# Altium PCB RMP_MAIN_PCB.PcbDoc (part 1 of 2)
Units mil, origin at the board's own origin, x right, y up, seen from the top; angles counter-clockwise.
Board outline 8260 x 4600 mil, 2 copper layers (Top Layer, Bottom Layer), stack 38.977 mil thick; 217 components, 130 nets, 944 pads, 269 vias.
Unrouted connection lines stored in the file: 5.
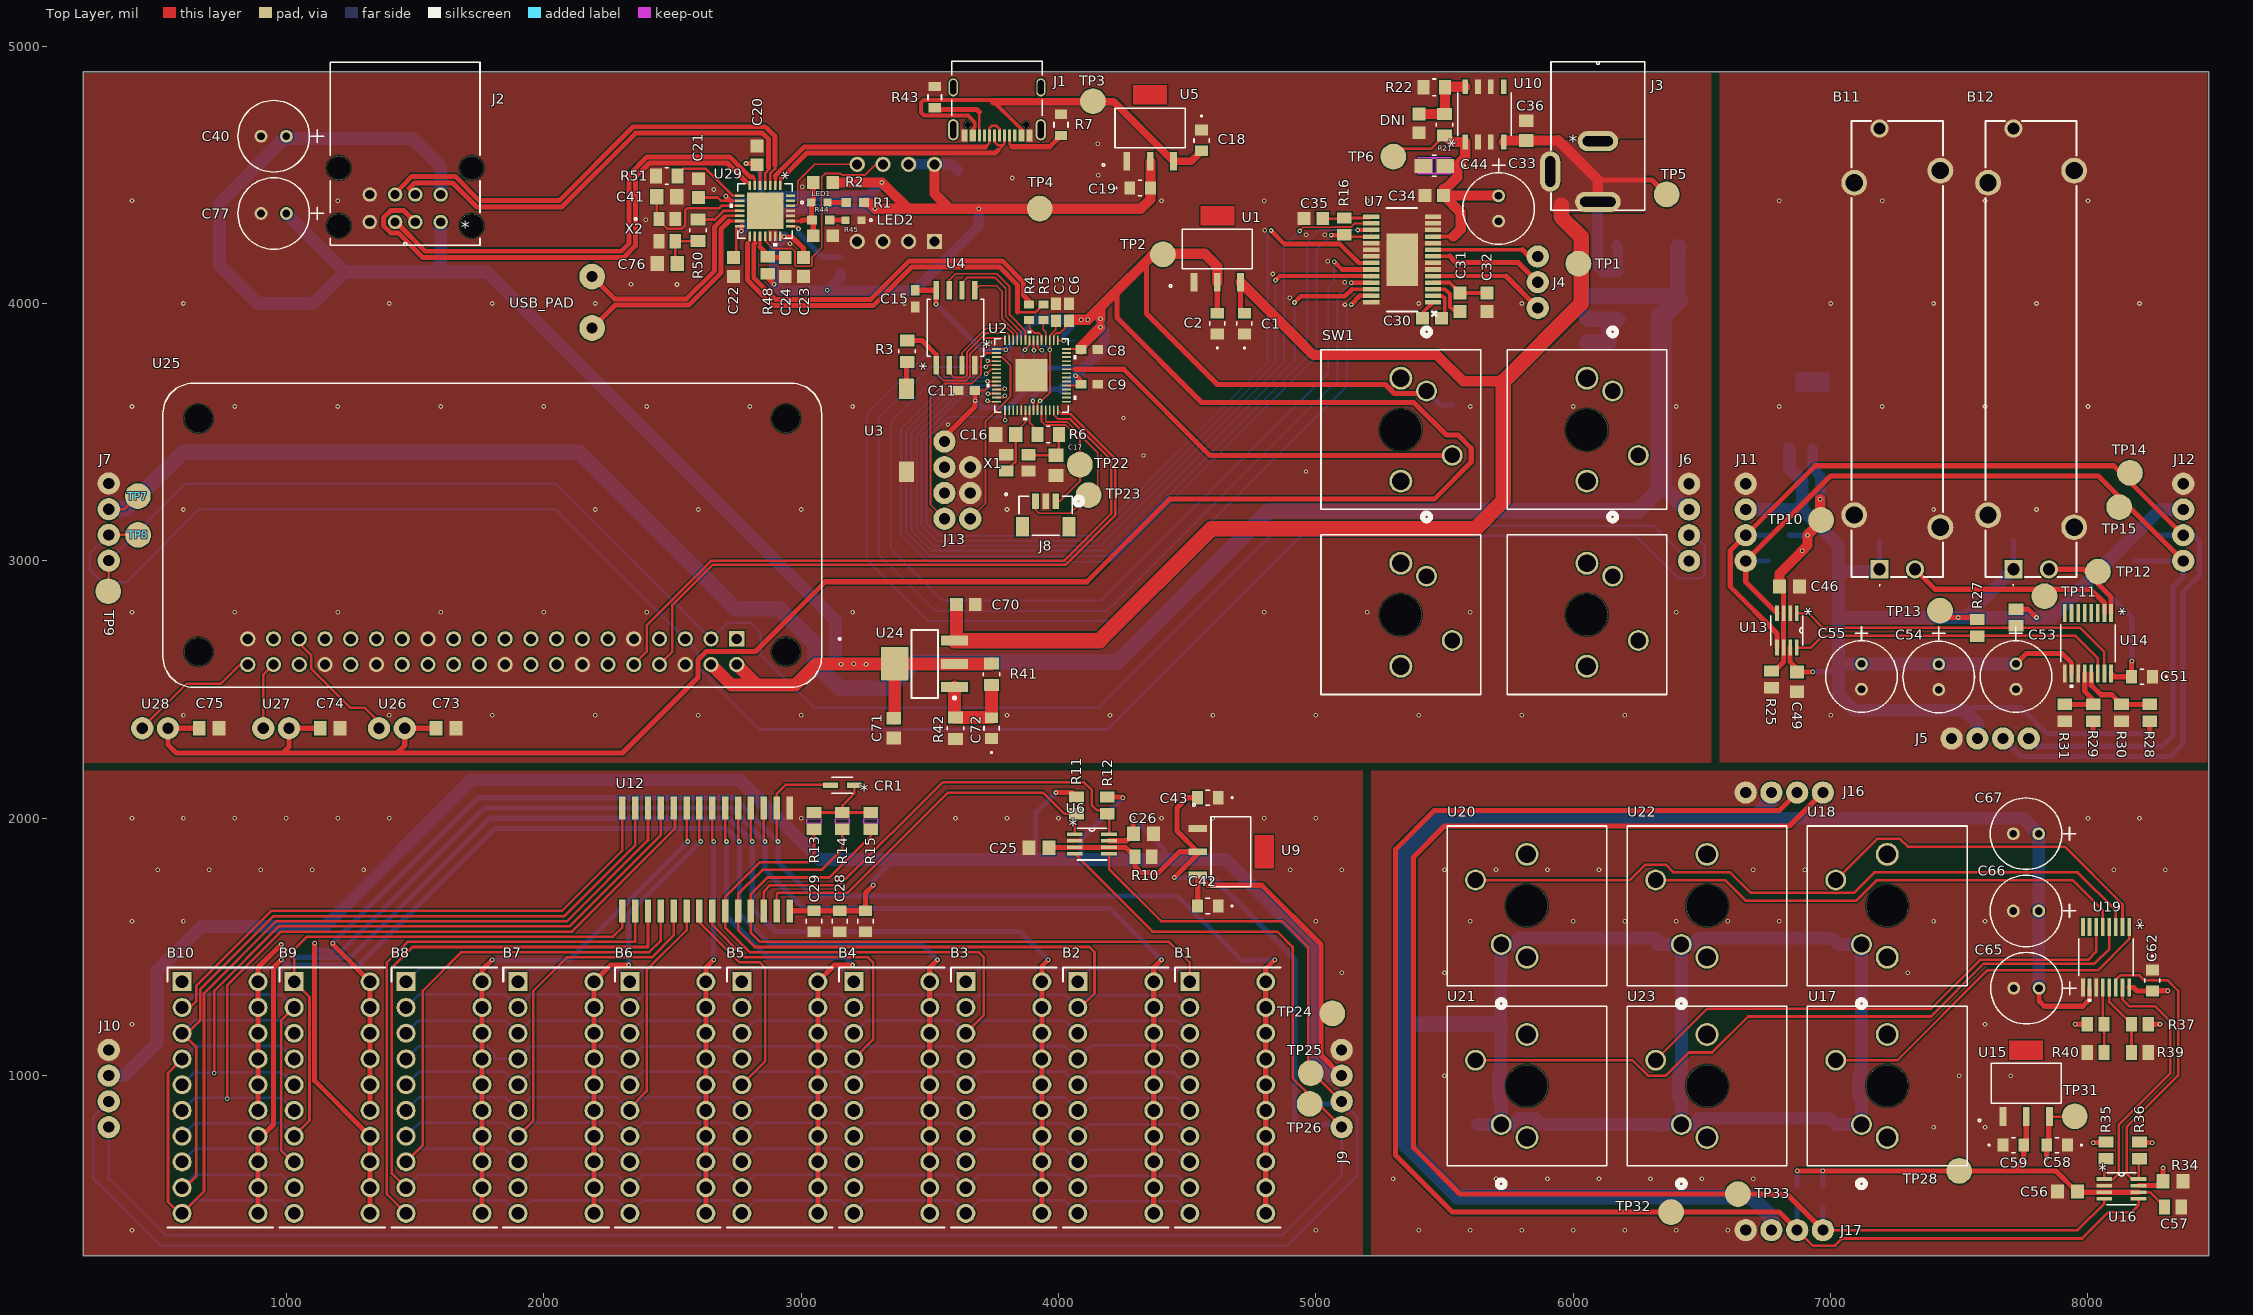
[diagram p0: Top Layer view]
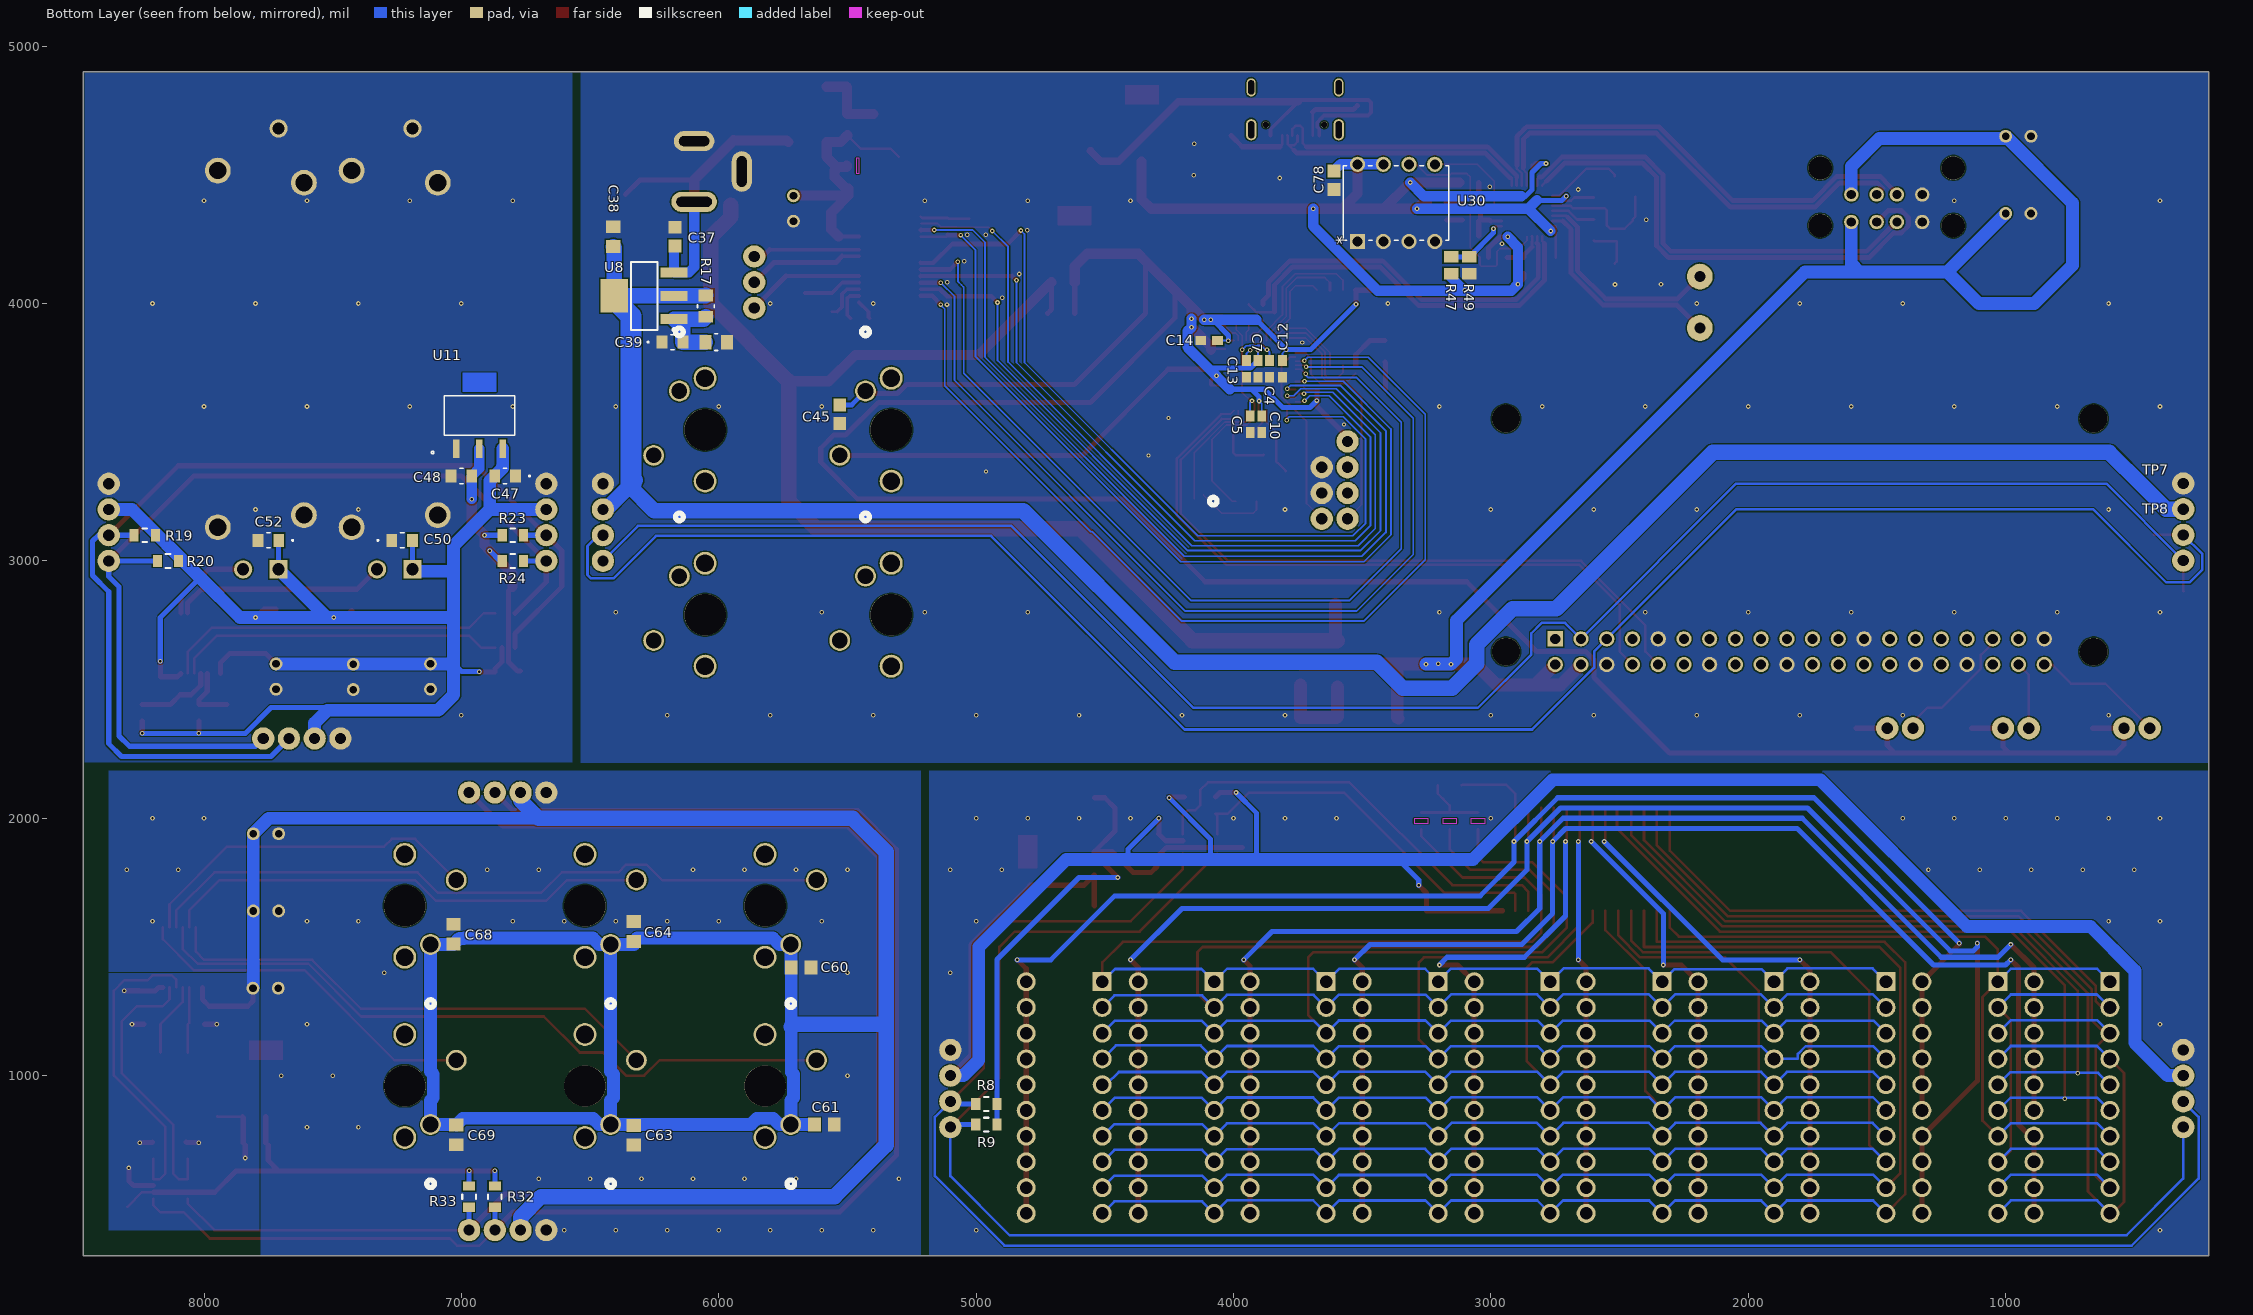
[diagram p1: Bottom Layer view, seen from below]

## Layer stack, top to bottom
Top Solder: solder mask 0.4, Solder Resist, Dk 3.5
Top Layer: signal copper 1.378
Dielectric 1: dielectric 36.2205, FR-4, Dk 4.8
Bottom Layer: signal copper 1.378
Bottom Solder: solder mask 0.4, Solder Resist, Dk 3.5

## Board outline
210,300 210,4900 8470,4900 8470,300

## Design rules (kind name [scope] priority, off if disabled: settings)
Clearance [All] p1: gap=5 ignorepadtopadclearanceinfootprint=FALSE
PlaneConnect [All] p1: planeconnectstyle=Direct reliefexpansion=20 reliefentries=4 reliefconductorwidth=10 reliefairgap=10
PolygonConnect [All] p1: connectstyle=Direct reliefconductorwidth=10 reliefentries=4 polygonreliefangle="90 Angle" airgapwidth=10
RoutingVias [All] p1: holewidth=28 width=50 viastyle="Through Hole" minholewidth=28 minwidth=50 maxholewidth=28 maxwidth=50
SolderMaskExpansion [All] p1: expansion=4 istentingtop=FALSE
SupplyNets "Schematic Supply Nets" [InNet('3.3V_HUB')] p1: voltage=0.000
SupplyNets "Schematic Supply Nets_4" [InNet('3.3V_LM')] p2: voltage=0.000
SupplyNets "Schematic Supply Nets_3" [InNet('1.1V')] p3: voltage=0.000
SupplyNets "Schematic Supply Nets_2" [InNet('3.3V')] p4: voltage=0.000
SupplyNets "Schematic Supply Nets_1" [InNet('GND')] p5: voltage=0.000
Width [All] p1: maxlimit=100 minlimit=5 preferedwidth=10
29 further rules are at their usual default settings.

## Classes and differential pairs
component class USB_HUB: C18 C19 C20 C21 C22 C23 C24 C40 C41 C76 C77 C78 J1 J2 LED1 LED2 R1 R2 R7 R43 R44 R45 R47 R48 R49 R50 R51 TP3 TP4 U5 U29 U30 USB_PAD X2
component class RMP_MAIN_ZERO: C70 C71 C72 C73 C74 C75 J6 J7 R41 R42 TP7 TP8 TP9 U24 U25 U26 U27 U28
component class RMP_MACRO_MODULE: C56 C57 C58 C59 C60 C61 C62 C63 C64 C65 C66 C67 C68 C69 J16 J17 R32 R33 R34 R35 R36 R37 R39 R40 TP28 TP31 TP32 TP33 U15 U16 U17 U18 U19 U20 U21 U22 U23
component class RMP_SLIDER_MODULE: B11 B12 C46 C47 C48 C49 C50 C51 C52 C53 C54 C55 J5 J11 J12 R19 R20 R23 R24 R25 R27 R28 R29 R30 R31 TP10 TP11 TP12 TP13 TP14 TP15 U11 U13 U14
component class RMP_LED_MODULE: B1 B2 B3 B4 B5 B6 B7 B8 B9 B10 C25 C26 C28 C29 C42 C43 CR1 J10 R8 R9 R10 R11 R12 R13 R14 R15 TP24 TP25 TP26 U6 U9 U12
component class RMP_MAIN: C1 C2 C3 C4 C5 C6 C7 C8 C9 C10 C11 C12 C14 C15 C16 C17 C78 J8 R3 R4 R5 R6 TP1 TP2 TP22 TP23 U1 U2 U3 U4 X1
component class RMP_MAIN_HFB: C30 C31 C32 C33 C34 C35 C36 C37 C38 C39 C44 C45 DNI J3 J4 J13 R16 R17 R21 R22 SW1 TP5 TP6 U7 U8 U10

## Components (designator, comment, footprint, x,y, rotation, side; value= is the part's Value field where it differs from the comment)
B1 "XGCBDX10D" DIPS750W75P254L2540H825Q20N 4510,1365 r0 top
B2 "XGCBDX10D" DIPS750W75P254L2540H825Q20N 4075,1365 r0 top
B3 "XGCBDX10D" DIPS750W75P254L2540H825Q20N 3640,1365 r0 top
B4 "XGCBDX10D" DIPS750W75P254L2540H825Q20N 3204.72,1365 r0 top
B5 "XGCBDX10D" DIPS750W75P254L2540H825Q20N 2769.72,1365 r0 top
B6 "XGCBDX10D" DIPS750W75P254L2540H825Q20N 2334.72,1365 r0 top
B7 "XGCBDX10D" DIPS750W75P254L2540H825Q20N 1900,1365 r0 top
B8 "XGCBDX10D" DIPS750W75P254L2540H825Q20N 1465,1365 r0 top
B9 "XGCBDX10D" DIPS750W75P254L2540H825Q20N 1030,1365 r0 top
B10 "XGCBDX10D" DIPS750W75P254L2540H825Q20N 594.72,1365 r0 top
B11 "PTA3043-2010CIB103" PTA30432010CIB103 7190.14,2967.43 r90 top
B12 "PTA3043-2010CIB103" PTA30432010CIB103 7710.14,2967.43 r90 top
C1 "GRM21BR61C106KE15K" G-21_MUR-M 4722,3922 r90 top value="10u F"
C2 "GRM21BR61C106KE15K" G-21_MUR-M 4617,3922 r90 top value="10u F"
C3 "C0603C105K4RACTU" CAPC17595_90N_KEM-M 3991,3966.12 r270 top value=1uF
C4 "CC0603KRX7R7BB104" CC0603N_YAG-M 3860,3746 r90 bottom value=100nF
C5 "CC0603KRX7R7BB104" CC0603N_YAG-M 3935,3531 r90 bottom value=100nF
C6 "C0603C105K4RACTU" CAPC17595_90N_KEM-M 4041,3966.12 r90 top value=1uF
C7 "CC0603KRX7R7BB104" CC0603N_YAG-M 3905,3746 r90 bottom value=100nF
C8 "CC0603KRX7R7BB104" CC0603N_YAG-M 4120,3821 r180 top value=100nF
C9 "CC0603KRX7R7BB104" CC0603N_YAG-M 4120,3686 r180 top value=100nF
C10 "CC0603KRX7R7BB104" CC0603N_YAG-M 3890,3531 r90 bottom value=100nF
C11 "CC0603KRX7R7BB104" CC0603N_YAG-M 3642,3662 r0 top value=100nF
C12 "CC0603KRX7R7BB104" CC0603N_YAG-M 3810,3746 r90 bottom value=100nF
C13 "CC0603KRX7R7BB104" CC0603N_YAG-M 3950,3746 r90 bottom value=100nF
C14 "CC0603KRX7R7BB104" CC0603N_YAG-M 4095,3856 r180 bottom value=100nF
C15 "CC0603KRX7R7BB104" CC0603N_YAG-M 3443,4019 r90 top value=100nF
C16 "CC0805FRNPO9BN150" CAP_CC0805_YAG-M 3795,3491 r0 top value=15pF
C17 "CC0805FRNPO9BN150" CAP_CC0805_YAG-M 3990,3371 r270 top value=15pF
C18 "GRM21BR61C106KE15K" G-21_MUR-M 4556,4634 r270 top value="10u F"
C19 "GRM21BR61C106KE15K" G-21_MUR-M 4317,4449 r0 top value="10u F"
C20 "CC0805KRX7R9BB104" CC0805N_YAG-M 2829,4576 r90 top value="0.1u F"
C21 "CC0805KRX7R9BB104" CC0805N_YAG-M 2601.06,4448.43 r90 top value="0.1u F"
C22 "CC0805KRX7R9BB104" CC0805N_YAG-M 2737,4142 r270 top value="0.1u F"
C23 "CC0805KRX7R9BB104" CC0805N_YAG-M 3009.2,4141.73 r270 top value="0.1u F"
C24 "CC0805KRX7R9BB104" CC0805N_YAG-M 2938.3,4141.73 r90 top value=0.1uF
C25 "CL21B105KAFNNNE" CAP_CL21B105KAFNNNE_SAM-M 3924.48,1885.72 r180 top value="1u F"
C26 "CL21B105KAFNNNE" CAP_CL21B105KAFNNNE_SAM-M 4330,1940 r180 top value="1u F"
C27 "CL21A106KOQNNNE" CAP_CL21_SAM-M 3250,1600 r90 top value="10 uF"
C28 "CL21A106KOQNNNE" CAP_CL21_SAM-M 3150,1600 r90 top value="10 uF"
C29 "CL21A106KOQNNNE" CAP_CL21_SAM-M 3050,1600 r90 top value="10 uF"
C30 "CC0805KRX7R9BB153" CC0805N_YAG-M 5451,3943 r180 top value="0.015u F"
C31 "CC0805KRX7R9BB104" CC0805N_YAG-M 5560,4005 r270 top value="0.1u F"
C32 "CC0805KRX7R9BB104" CC0805N_YAG-M 5665,4005 r90 top value="0.1u F"
C33 "35YXJ100M6.3X11" CAP_YX_6P3X11_RUB 5710,4418.43 r270 top value="100u F"
C34 "CC0805KRX7R9BB104" CC0805N_YAG-M 5460,4420 r0 top value="0.1u F"
C35 "CC0805KKX7R8BB474" CC0805N_YAG-M 4990,4330 r0 top value="0.47u F"
C36 "CL21B105KAFNNNE" CAP_CL21B105KAFNNNE_SAM-M 5817.25,4671.71 r270 top value="1u F"
C37 "CC0805KRX7R9BB104" CC0805N_YAG-M 6170,4260 r270 bottom value=0.1uF
C38 "CL21B105KAFNNNE" CAP_CL21B105KAFNNNE_SAM-M 6410,4260 r270 bottom value="1u F"
C39 "GRM21BR61C106KE15K" G-21_MUR-M 6180,3850 r180 bottom value="10u F"
C40 "35YXJ100M6.3X11" CAP_YX_6P3X11_RUB 1000,4650 r180 top value=100uF
C41 "CC0805FRNPO9BN150" CAP_CC0805_YAG-M 2477.94,4414.76 r180 top value=15pF
C42 "GRM21BR61C106KE15K" G-21_MUR-M 4580,1659.26 r180 top value="10u F"
C43 "GRM21BR61C106KE15K" G-21_MUR-M 4580,2080 r180 top value="10u F"
C44 "TAJA475K016RNJ" TAJA_AVX-M 5460,4535 r180 top value=4.7uF
C45 "CC0805KRX7R9BB104" CC0805N_YAG-M 5530,3570 r90 bottom value=0.1uF
C46 "CL21B105KAFNNNE" CAP_CL21B105KAFNNNE_SAM-M 6840,2900 r0 top value="1u F"
C47 "GRM21BR61C106KE15K" G-21_MUR-M 6830,3330 r0 bottom value="10u F"
C48 "GRM21BR61C106KE15K" G-21_MUR-M 7000,3330 r180 bottom value="10u F"
C49 "CL21B105KAFNNNE" CAP_CL21B105KAFNNNE_SAM-M 6870,2530 r90 top value="1u F"
C50 "GRM21BR61C106KE15K" G-21_MUR-M 7230,3080 r180 bottom value="10u F"
C51 "GRM21BR61C106KE15K" G-21_MUR-M 8210,2550 r180 top value="10u F"
C52 "GRM21BR61C106KE15K" G-21_MUR-M 7750,3080 r0 bottom value="10u F"
C53 "35YXJ100M6.3X11" CAP_YX_6P3X11_RUB 7720,2600 r270 top value="100u F"
C54 "35YXJ100M6.3X11" CAP_YX_6P3X11_RUB 7420,2598.43 r270 top value="100u F"
C55 "35YXJ100M6.3X11" CAP_YX_6P3X11_RUB 7120,2600 r270 top value="100u F"
C56 "CL21B105KAFNNNE" CAP_CL21B105KAFNNNE_SAM-M 7920,550 r180 top value="1u F"
C57 "CL21B105KAFNNNE" CAP_CL21B105KAFNNNE_SAM-M 8330,590 r180 top value="1u F"
C58 "GRM21BR61C106KE15K" G-21_MUR-M 7880,730 r180 top value="10u F"
C59 "GRM21BR61C106KE15K" G-21_MUR-M 7710,730 r0 top value="10u F"
C60 "CL21B105KAFNNNE" CAP_CL21B105KAFNNNE_SAM-M 5680,1420 r180 bottom value="1u F"
C61 "CL21B105KAFNNNE" CAP_CL21B105KAFNNNE_SAM-M 5590,810 r180 bottom value="1u F"
C62 "GRM21BR61C106KE15K" G-21_MUR-M 8250,1370 r270 top value="10u F"
C63 "CL21B105KAFNNNE" CAP_CL21B105KAFNNNE_SAM-M 6330,768.5 r270 bottom value="1u F"
C64 "CL21B105KAFNNNE" CAP_CL21B105KAFNNNE_SAM-M 6330,1560 r90 bottom value="1u F"
C65 "35YXJ100M6.3X11" CAP_YX_6P3X11_RUB 7810,1340 r180 top value="100u F"
C66 "35YXJ100M6.3X11" CAP_YX_6P3X11_RUB 7808.43,1640 r180 top value="100u F"
C67 "35YXJ100M6.3X11" CAP_YX_6P3X11_RUB 7808.43,1940 r180 top value="100u F"
C68 "CL21B105KAFNNNE" CAP_CL21B105KAFNNNE_SAM-M 7030,1550 r90 bottom value="1u F"
C69 "CL21B105KAFNNNE" CAP_CL21B105KAFNNNE_SAM-M 7020,770 r270 bottom value="1u F"
C70 "CC0805KRX7R9BB104" CC0805N_YAG-M 3640,2830 r180 top value=0.1uF
C71 "CL21B105KAFNNNE" CAP_CL21B105KAFNNNE_SAM-M 3360,2350 r90 top value="1u F"
C72 "GRM21BR61C106KE15K" G-21_MUR-M 3740,2350 r90 top value="10u F"
C73 "CL21B105KAFNNNE" CAP_CL21B105KAFNNNE_SAM-M 1620,2350 r0 top value="1u F"
C74 "CL21B105KAFNNNE" CAP_CL21B105KAFNNNE_SAM-M 1170,2350 r0 top value="1u F"
C75 "CL21B105KAFNNNE" CAP_CL21B105KAFNNNE_SAM-M 700,2350 r0 top value="1u F"
C76 "CC0805FRNPO9BN150" CAP_CC0805_YAG-M 2479.72,4155.69 r180 top value=15pF
C77 "35YXJ100M6.3X11" CAP_YX_6P3X11_RUB 1000,4350 r180 top value=100uF
C78 "CC0805KRX7R9BB104" CC0805N_YAG-M 3610,4479 r270 bottom value=0.1uF
CR1 "1N4148WX-TP" CR_SOD323_MCC-M 3160,2128.5 r180 top
DNI "CC0805KRX7R9BB104" CC0805N_YAG-M 5400,4700 r90 top value=0.1uF
J1 "12402012E212A" AMPHENOL_12402012E212A 3761.22,4839.88 r180 top
J2 "AU-Y1008-2" CONN_AU-Y1008-2_ASM 1599.68,4316.87 r180 top
J3 "PJ-002B" PJ-002B_CUI 6095.5,4394.94 r0 top
J4 "MOTOR_HEADER" 3PINHEADER 5862,3983 r180 top
J5 "I2C_BUS_PINS" "4 PIN HEADER" 7470,2310 r90 top
J6 "I2C_BUS_PINS" "4 PIN HEADER" 6450,3300 r0 top
J7 "I2C_BUS_PINS" "4 PIN HEADER" 310,3301 r0 top
J8 "BM03B-SRSS-TBLFSN" CONN_BM03B-SRSS-TBLFSN_JST 3950,3176 r0 top
J9 "I2C_BUS_PINS" "4 PIN HEADER" 5100,1100 r0 top
J10 "I2C_BUS_PINS" "4 PIN HEADER" 310,1100 r0 top
J11 "I2C_BUS_PINS" "4 PIN HEADER" 6670,3300 r0 top
J12 "I2C_BUS_PINS" "4 PIN HEADER" 8370,3300 r0 top
J13 "Mag_encoder_header" 8PinHeader 3557,3464 r0 top
J16 "I2C_BUS_PINS" "4 PIN HEADER" 6670,2100 r90 top
J17 "I2C_BUS_PINS" "4 PIN HEADER" 6670,400 r90 top
LED1 "B1931NG--20D001114U1930" LED_B1931NG_HVK 3071.32,4392.98 r0 top
LED2 "B1931NG--20D001114U1930" LED_B1931NG_HVK 3203.43,4324.04 r180 top
R1 "RC0603FR-07169RL" RC0603N_YAG-M 3209.44,4392.98 r180 top
R2 "RC0805FR-07100KL" RC0805N_YAG-M 3084.88,4470.44 r0 top value="100K ohm"
R3 "RNCF0805DTE1K00" RES_RNCF0805_STP-M 3411.79,3814.73 r90 top value="1k ohm"
R4 "MCT06030C2742FP500" RESC1508X55N 3886,3966.12 r90 top value="27.4k ohm"
R5 "MCT06030C2742FP500" RESC1508X55N 3941,3966.12 r90 top value="27.4k ohm"
R6 "RNCF0805DTE1K00" RES_RNCF0805_STP-M 3960,3491 r180 top value="1k ohm"
R7 "RT0805FRE075K1L" FP-RT0805-MFG 4010,4694 r90 top value=5.1KΩ
R8 "RT0805FRE134K7L" FP-RT0805-MFG 4960,890 r0 bottom value=4.7KΩ
R9 "RT0805FRE134K7L" FP-RT0805-MFG 4960,810 r0 bottom value=4.7KΩ
R10 "RNCP0805FTD10K0" STA_RNCP0805_STP-M 4330,1850 r0 top value="10k ohm"
R11 "RNCP0805FTD10K0" STA_RNCP0805_STP-M 4070,2050 r90 top value="10k ohm"
R12 "RNCP0805FTD10K0" STA_RNCP0805_STP-M 4190,2050 r90 top value="10k ohm"
R13 "RNCP0805FTD40K2" "STA_RNCP0805_STP-M - duplicate" 3050,1990 r270 top value="40.2k Ohm"
R14 "RNCP0805FTD40K2" "STA_RNCP0805_STP-M - duplicate" 3160,1990 r270 top value="40.2k Ohm"
R15 "RNCP0805FTD40K2" "STA_RNCP0805_STP-M - duplicate" 3270,1990 r270 top value="40.2k Ohm"
R16 "RNCP0805FTD10K0" STA_RNCP0805_STP-M 5110,4300 r270 top value="10k ohm"
R17 "RNCF0805DTE120R" RES_RNCF0805_STP-M 6050,3990 r90 bottom value="120 ohm"
R18 "RNCF0805DTE360R" RES_RNCF0805_STP-M 6010,3850 r0 bottom value="360 ohm"
R19 "RT0805FRE134K7L" FP-RT0805-MFG 8230,3100 r0 bottom value=4.7KΩ
R20 "RT0805FRE134K7L" FP-RT0805-MFG 8140,3000 r0 bottom value=4.7KΩ
R21 "RNCF0805DTE1K00" RES_RNCF0805_STP-M 5500,4695 r270 top value="1k ohm"
R22 "RNCF0805DTE5K60" RES_RNCF0805_STP-M 5460,4840 r0 top value="5.6k ohm"
R23 "RT0805FRE134K7L" FP-RT0805-MFG 6800,3100 r180 bottom value=4.7KΩ
R24 "RT0805FRE134K7L" FP-RT0805-MFG 6800,3000 r180 bottom value=4.7KΩ
R25 "RNCP0805FTD10K0" STA_RNCP0805_STP-M 6770,2540 r270 top value="10k ohm"
R26 "RNCP0805FTD10K0" STA_RNCP0805_STP-M 7720,2780 r90 top value=DNI
R27 "RNCP0805FTD10K0" STA_RNCP0805_STP-M 7570,2740 r90 top value=DNI
R28 "RNCP0805FTD10K0" STA_RNCP0805_STP-M 8240,2410 r270 top value=DNI
R29 "RNCP0805FTD10K0" STA_RNCP0805_STP-M 8020,2410 r270 top value=DNI
R30 "RNCP0805FTD10K0" STA_RNCP0805_STP-M 8130,2410 r90 top value=DNI
R31 "RNCP0805FTD10K0" STA_RNCP0805_STP-M 7910,2410 r90 top value=DNI
R32 "RT0805FRE134K7L" FP-RT0805-MFG 6870,530 r270 bottom value=4.7KΩ
R33 "RT0805FRE134K7L" FP-RT0805-MFG 6970,530 r270 bottom value=4.7KΩ
R34 "RNCP0805FTD10K0" STA_RNCP0805_STP-M 8330,490 r0 top value="10k ohm"
R35 "RNCP0805FTD10K0" STA_RNCP0805_STP-M 8070,710 r90 top value=DNI
R36 "RNCP0805FTD10K0" STA_RNCP0805_STP-M 8200,710 r90 top value=DNI
R37 "RNCP0805FTD10K0" STA_RNCP0805_STP-M 8201.5,1200 r0 top value=DNI
R38 "RNCP0805FTD10K0" STA_RNCP0805_STP-M 8030,1200 r180 top value=DNI
R39 "RNCP0805FTD10K0" STA_RNCP0805_STP-M 8201.5,1090 r180 top value=DNI
R40 "RNCP0805FTD10K0" STA_RNCP0805_STP-M 8030,1090 r0 top value=DNI
R41 "RNCF0805DTE120R" RES_RNCF0805_STP-M 3740,2560 r90 top value="120 ohm"
R42 "RNCF0805DTE360R" RES_RNCF0805_STP-M 3600,2350 r90 top value="360 ohm"
R43 "RT0805FRE075K1L" FP-RT0805-MFG 3519,4802 r90 top value=5.1KΩ
R44 "RC0603FR-07169RL" RC0603N_YAG-M 3076.88,4325.05 r0 top
R45 "RC0805FR-07100KL" RC0805N_YAG-M 3084.88,4263.61 r180 top value="100K ohm"
R47 "RNCP0805FTD10K0" STA_RNCP0805_STP-M 3154.49,4148.73 r270 bottom value="10k ohm"
R48 "RNCP0805FTD10K0" STA_RNCP0805_STP-M 2870.9,4148.73 r270 top value="10k ohm"
R49 "RNCP0805FTD10K0" STA_RNCP0805_STP-M 3083.59,4148.73 r90 bottom value=DNI
R50 "RNCF0805DTE1K00" RES_RNCF0805_STP-M 2599.34,4285.05 r270 top value="1k ohm"
R51 "RLC73K2AR649FTD" RES_RNCF0805_STP-M 2477.94,4495.7 r0 top value="649 ohm"
SW1 "mx_switches_knob" KNOB_SWITCHES 5330,3510 r270 top
TP1 "TestPoint" TESTPOINT#1 6020,4155 r0 top
TP2 "TestPoint" TESTPOINT#1 4406,4191 r0 top
TP3 "TestPoint" TESTPOINT#1 4134,4786 r0 top
TP4 "TestPoint" TESTPOINT#1 3927,4369 r0 top
TP5 "TestPoint" TESTPOINT#1 6363,4424 r0 top
TP6 "TestPoint" TESTPOINT#1 5301,4571 r0 top
TP7 "TestPoint" TESTPOINT#2 423,3252 r180 bottom
TP8 "TestPoint" TESTPOINT#2 424,3101 r180 bottom
TP9 "TestPoint" TESTPOINT#1 308,2882 r270 top
TP10 "TestPoint" TESTPOINT#1 6963,3159 r90 top
TP11 "TestPoint" TESTPOINT#1 7831,2863 r90 top
TP12 "TestPoint" TESTPOINT#1 8038.65,2958.62 r90 top
TP13 "TestPoint" TESTPOINT#1 7425,2807 r90 top
TP14 "TestPoint" TESTPOINT#1 8163,3342 r90 top
TP15 "TestPoint" TESTPOINT#1 8121,3209 r90 top
TP22 "TestPoint" Testpoint 4083,3374 r90 top
TP23 "TestPoint" Testpoint 4117,3256 r90 top
TP24 "TestPoint" Testpoint 5064,1242 r90 top
TP25 "TestPoint" Testpoint 4980,1010 r90 top
TP26 "TestPoint" Testpoint 4975.87,890 r90 top
TP28 "TestPoint" Testpoint 7500,630 r90 top
TP31 "TestPoint" Testpoint 7948.75,842.11 r90 top
TP32 "TestPoint" Testpoint 6380,470 r90 top
TP33 "TestPoint" Testpoint 6640,540 r90 top
U1 "NCP1117LPST33T3G" SOT223-3_ONS-M 4617,4212 r0 top
U2 "SC091413" QFN56_7X7_RPI-M 3895,3721 r0 top
U3 "PTS636SM43SMTR LFS" "PTS636SM43SMTR LFS" 3410,3306.63 r90 top
U4 "W25Q128JVSIQ" SOIC_128JVSIQ_WIN-M 3600,3906 r90 top
U5 "NCP1117LPST33T3G" SOT223-3_ONS-M 4356,4682 r0 top
U6 "TXS0102DCTR" DCT8 4130,1900 r0 top
U7 "DRV8313PWPR" PWP0028F_M 5334.92,4170.75 r180 top
U8 "LM317DCYR" DCY0004A_M 6290,4030 r0 bottom
U9 "NCP1117LPST33T3G" SOT223-3_ONS-M 4670,1870 r270 top
U10 "LDL212DR" SO8B_4X5X1P27_STM 5655,4735 r90 top
U11 "NCP1117LPST33T3G" SOT223-3_ONS-M 6930,3565 r180 bottom
U12 "HT16K33" SOP-28-300mil 2560,1850 r270 top
U13 "TXS0102DCTR" DCT8 6830,2730 r270 top
U14 "ADS7830IPWR" PW16-M 8000,2680 r270 top
U15 "NCP1117LPST33T3G" SOT223-3_ONS-M 7760,970 r0 top
U16 "TXS0102DCTR" DCT8 8130,560 r0 top
U17 "mech_switch" SW_MX1A-E1NW_CHY 7120,810 r90 top
U18 "mech_switch" SW_MX1A-E1NW_CHY 7120,1510 r90 top
U19 "ADS7830IPWR" PW16-M 8070,1460 r270 top
U20 "mech_switch" SW_MX1A-E1NW_CHY 5720,1510 r90 top
U21 "mech_switch" SW_MX1A-E1NW_CHY 5720,810 r90 top
U22 "mech_switch" SW_MX1A-E1NW_CHY 6420,1510 r90 top
U23 "mech_switch" SW_MX1A-E1NW_CHY 6420,810 r90 top
U24 "LM317DCYR" DCY0004A_M 3480,2600 r180 top
U25 "RASPBERRY_PI_ZERO_2_W" MODULE_RASPBERRY_PI_ZERO_2_W 1800,3100 r180 top
U26 "LOW_PROFILE_SWITCH" 2PINHEADER 1460,2350 r270 top
U27 "LOW_PROFILE_SWITCH" 2PINHEADER 1010,2350 r270 top
U28 "LOW_PROFILE_SWITCH" 2PINHEADER 540,2350 r270 top
U29 "CY7C65632-28LTXC" QFN-28-M 2860,4360 r270 top
U30 "AT24C02D-PUM" PDIP8_300MC_MCH 3518,4241 r90 bottom